# Altium PCB RTM_SFP.PcbDoc (part 1 of 7) (continued)
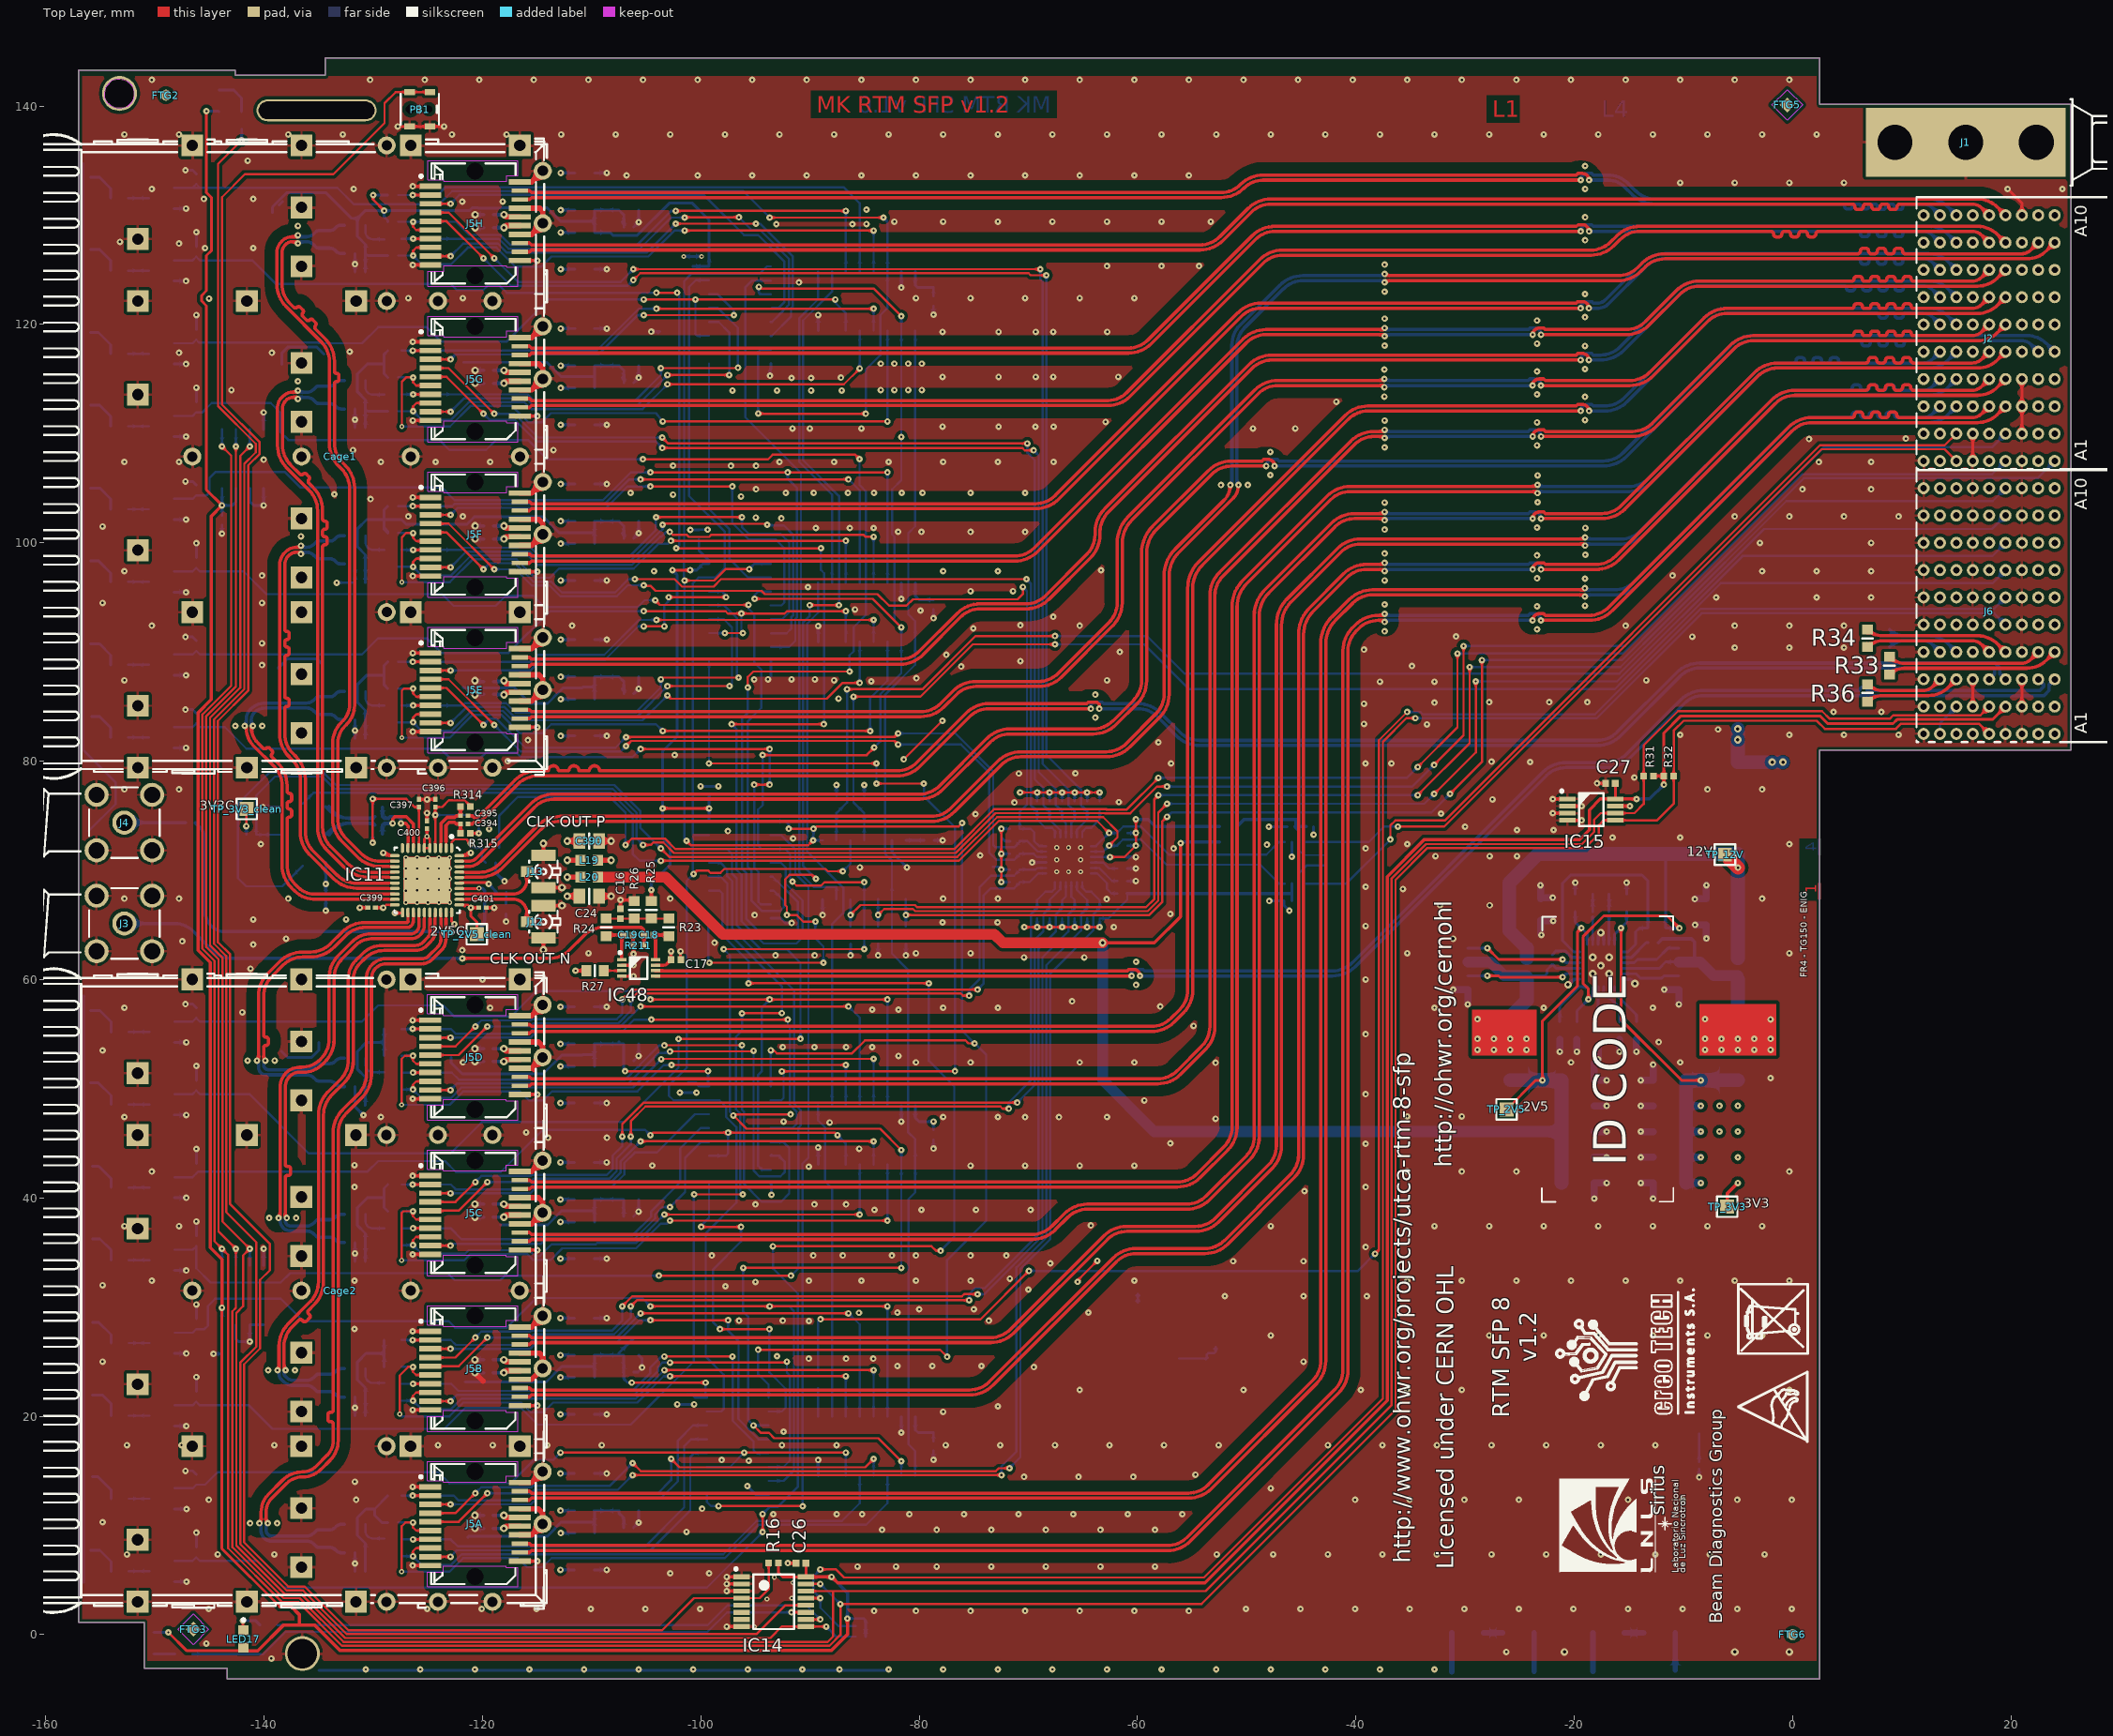
[diagram p0: Top Layer view]
## Components (designator, comment, footprint, x,y, rotation, side; value= is the part's Value field where it differs from the comment) (continued)
C220H "10uF" CAPC2012X135N -110.65,133.88 r0 bottom (schematic designator C220)
C228A "100nF" CAPC1005X55N -119.45,9.735 r180 bottom (schematic designator C228)
C228B "100nF" CAPC1005X55N -119.45,23.985 r180 bottom (schematic designator C228)
C228C "100nF" CAPC1005X55N -119.45,38.235 r180 bottom (schematic designator C228)
C228D "100nF" CAPC1005X55N -119.45,52.485 r180 bottom (schematic designator C228)
C228E "100nF" CAPC1005X55N -119.45,86.115 r180 bottom (schematic designator C228)
C228F "100nF" CAPC1005X55N -119.45,100.365 r180 bottom (schematic designator C228)
C228G "100nF" CAPC1005X55N -119.45,114.615 r180 bottom (schematic designator C228)
C228H "100nF" CAPC1005X55N -119.45,128.865 r180 bottom (schematic designator C228)
C280 "100nF" CAPC1005X55N -22.01,61.83 r90 bottom
C386 "10uF" CAPC2012X135N -15.86,55.33 r90 bottom
C390 "10uF" CAPC2012X135N -110.23,72.68 r180 top
C391 "100nF" CAPC0603X33N -134.36,67.58 r90 bottom
C392 "100nF" CAPC0603X33N -129.51,74.92 r180 bottom
C393 "100nF" CAPC0603X33N -129.51,74.16 r180 bottom
C394 "100nF" CAPC0603X33N -121.67,74.25 r0 top
C395 "100nF" CAPC0603X33N -121.67,75 r0 top
C396 "100nF" CAPC0603X33N -124.33,76.15 r270 top
C397 "100nF" CAPC0603X33N -125.83,76.15 r270 top
C399 "100nF" CAPC0603X33N -130.16,66.58 r0 top
C400 "100nF" CAPC0603X33N -125.08,74.18 r270 top
C401 "100nF" CAPC0603X33N -120,66.58 r180 top
C402 "100nF" CAPC0603X33N -61.4,71.24 r180 bottom
C403 "100nF" CAPC0603X33N -8.56,15.49 r90 bottom
Cage1 "SFP+" TYCO_2007132-1 -120.679,107.9 r0 top locked
Cage2 "SFP+" TYCO_2007132-1 -120.689,31.506 r0 top
F1 "1.5A-15V" FUSR_TYCO_SMD150F-2 -5.02,75.71 r270 bottom
FTG1 "Use only in PCB" FIDUCIAL_TOP_S100-200 -146.5,0.5 r270 bottom
FTG2 "Use only in PCB" FIDUCIAL_TOP_C100-200 -149,141 r90 top
FTG3 "Use only in PCB" FIDUCIAL_TOP_S100-200 -146.5,0.5 r90 top
FTG4 "Use only in PCB" FIDUCIAL_TOP_C100-200 0,0 r270 bottom
FTG5 "Use only in PCB" FIDUCIAL_TOP_S100-200 -0.5,140.1 r90 top
FTG6 "Use only in PCB" FIDUCIAL_TOP_C100-200 0,0 r90 top
FTG7 "Use only in PCB" FIDUCIAL_TOP_S100-200 -0.5,140.1 r270 bottom
FTG8 "Use only in PCB" FIDUCIAL_TOP_C100-200 -149,141 r270 bottom
IC1 "74HC04D" SOIC127P600X175-14N -85.04,70.05 r90 bottom
IC2 "74HC165D" SOIC127P600X175-16N -84.815,122.136 r90 bottom
IC3 "74HC4094D" SOIC127P1000X400-16N -96.425,120.875 r180 bottom
IC4 "74HC4094D" SOIC127P1000X400-16N -96.425,93.636 r180 bottom
IC5 "74HC165D" SOIC127P600X175-16N -84.815,93.636 r90 bottom
IC6 "74HC4094D" SOIC127P1000X400-16N -96.425,45.756 r180 bottom
IC7 "74HC165D" SOIC127P600X175-16N -84.815,45.756 r90 bottom
IC8 "74HC4094D" SOIC127P1000X400-16N -96.625,17.256 r180 bottom
IC9 "74HC165D" SOIC127P600X175-16N -84.815,17.256 r90 bottom
IC10 "74HC4094D" SOIC127P1000X400-16N -96.425,70.05 r180 bottom
IC11 "CDCLVD1212RHA" QFN50P600X600X80-41N-S425 -125.08,69.09 r270 top
IC12 "LM75AIM/NOPB" SOIC127P600X175-8N -141.955,31.086 r270 bottom
IC13 "LM75AIM/NOPB" SOIC127P600X175-8N -141.955,107.686 r270 bottom
IC14 "PCA9554PW" SOP65P640X110-16N -93.33,3.01 r0 top
IC15 "24LC64-I/MS" SOP65P490X110-8N -18.44,75.56 r0 top
IC16 "TPS53126RGET" QFN50P400X400X100-25N-S255 -17.56,61.28 r270 bottom
IC17 "TXS0102DCTT" SOP65P400X130-8N -45.55,70.69 r270 bottom
IC20A "SN65LVDS2DBVR" SOT95P280X145-5N -131.68,8.799 r90 bottom (schematic designator IC20)
IC20B "SN65LVDS2DBVR" SOT95P280X145-5N -131.68,23.05 r90 bottom (schematic designator IC20)
IC20C "SN65LVDS2DBVR" SOT95P280X145-5N -131.68,37.2 r90 bottom (schematic designator IC20)
IC20D "SN65LVDS2DBVR" SOT95P280X145-5N -131.68,51.5 r90 bottom (schematic designator IC20)
IC20E "SN65LVDS2DBVR" SOT95P280X145-5N -131.68,85.1 r90 bottom (schematic designator IC20)
IC20F "SN65LVDS2DBVR" SOT95P280X145-5N -131.68,99.36 r90 bottom (schematic designator IC20)
IC20G "SN65LVDS2DBVR" SOT95P280X145-5N -131.68,113.56 r90 bottom (schematic designator IC20)
IC20H "SN65LVDS2DBVR" SOT95P280X145-5N -131.68,127.8 r90 bottom (schematic designator IC20)
IC39 "MAX7357ETG+" QFN50P400X400X80-25N-S265 -66.319,70.97 r90 bottom
IC48 "FIN1101K8X" SOP50P310X90-8N -105.7,61.06 r0 top
J1 "Family" TYCO_1469265-1 15.85,136.686 r0 top
J2 "" TYCO_6469183-1 18,118.75 r0 top
J3 "SMA" HUBER-SUHNER_85_SMA-50-0-101/111_NE -152.81,65.136 r180 top
J4 "SMA" HUBER-SUHNER_85_SMA-50-0-101/111_NE -152.81,74.376 r180 top
J5A "SFP+" TYCO_1888247-1 -120.69,10.131 r0 top (schematic designator J5)
J5B "SFP+" TYCO_1888247-1 -120.69,24.381 r0 top (schematic designator J5)
J5C "SFP+" TYCO_1888247-1 -120.69,38.631 r0 top (schematic designator J5)
J5D "SFP+" TYCO_1888247-1 -120.69,52.881 r0 top (schematic designator J5)
J5E "SFP+" TYCO_1888247-1 -120.675,86.511 r0 top (schematic designator J5)
J5F "SFP+" TYCO_1888247-1 -120.675,100.761 r0 top (schematic designator J5)
J5G "SFP+" TYCO_1888247-1 -120.675,115.011 r0 top (schematic designator J5)
J5H "SFP+" TYCO_1888247-1 -120.675,129.261 r0 top (schematic designator J5)
J6 "" TYCO_6469183-1 18,93.75 r0 top locked
J12 "U.FL" HIROSE_U.FL-R-SMT-1(10) -114.42,65.29 r270 top
J13 "U.FL" HIROSE_U.FL-R-SMT-1(10) -114.42,69.89 r270 top
L1 "1.5uH" INDM6965X300N -5.02,53.67 r270 bottom
L2 "1.5uH" INDM6965X300N -25.87,53.67 r270 bottom
L3 "390R@100MHz" INDC1608X95N -51.706,74 r180 bottom
L4 "390R@100MHz" INDC1608X95N -51.706,72.611 r180 bottom
L5A "220R@100MHz" INDC2012X105N -110.65,11.35 r180 bottom (schematic designator L5)
L5B "220R@100MHz" INDC2012X105N -110.65,25.6 r180 bottom (schematic designator L5)
L5C "220R@100MHz" INDC2012X105N -110.65,39.85 r180 bottom (schematic designator L5)
L5D "220R@100MHz" INDC2012X105N -110.65,54.1 r180 bottom (schematic designator L5)
L5E "220R@100MHz" INDC2012X105N -110.65,87.73 r180 bottom (schematic designator L5)
L5F "220R@100MHz" INDC2012X105N -110.65,101.98 r180 bottom (schematic designator L5)
L5G "220R@100MHz" INDC2012X105N -110.65,116.23 r180 bottom (schematic designator L5)
L5H "220R@100MHz" INDC2012X105N -110.65,130.48 r180 bottom (schematic designator L5)
L11A "220R@100MHz" INDC2012X105N -110.65,9.3 r180 bottom (schematic designator L11)
L11B "220R@100MHz" INDC2012X105N -110.65,23.55 r180 bottom (schematic designator L11)
L11C "220R@100MHz" INDC2012X105N -110.65,37.8 r180 bottom (schematic designator L11)
L11D "220R@100MHz" INDC2012X105N -110.65,52.05 r180 bottom (schematic designator L11)
L11E "220R@100MHz" INDC2012X105N -110.65,85.68 r180 bottom (schematic designator L11)
L11F "220R@100MHz" INDC2012X105N -110.65,99.93 r180 bottom (schematic designator L11)
L11G "220R@100MHz" INDC2012X105N -110.65,114.18 r180 bottom (schematic designator L11)
L11H "220R@100MHz" INDC2012X105N -110.65,128.43 r180 bottom (schematic designator L11)
L19 "390R@100MHz" INDC1608X95N -110.23,70.93 r180 top
L20 "390R@100MHz" INDC1608X95N -110.23,69.38 r180 top
LD1A "Green" LED_AVAGO_HSME-C120#1 -155.9,13.449 r270 bottom (schematic designator LD1)
LD1B "Green" LED_AVAGO_HSME-C120#1 -155.9,27.62 r270 bottom (schematic designator LD1)
LD1C "Green" LED_AVAGO_HSME-C120#1 -155.9,41.9 r270 bottom (schematic designator LD1)
LD1D "Green" LED_AVAGO_HSME-C120#1 -155.9,56.15 r270 bottom (schematic designator LD1)
LD1E "Green" LED_AVAGO_HSME-C120#1 -155.9,89.74 r270 bottom (schematic designator LD1)
LD1F "Green" LED_AVAGO_HSME-C120#1 -155.9,104.025 r270 bottom (schematic designator LD1)
LD1G "Green" LED_AVAGO_HSME-C120#1 -155.9,118.275 r270 bottom (schematic designator LD1)
LD1H "Green" LED_AVAGO_HSME-C120#1 -155.9,132.5 r270 bottom (schematic designator LD1)
LD2A "Red" LED_AVAGO_HSMC-C120 -155.9,6.687 r270 bottom (schematic designator LD2)
LD2B "Red" LED_AVAGO_HSMC-C120 -155.9,20.99 r270 bottom (schematic designator LD2)
LD2C "Red" LED_AVAGO_HSMC-C120 -155.9,35.24 r270 bottom (schematic designator LD2)
LD2D "Red" LED_AVAGO_HSMC-C120 -155.9,49.55 r270 bottom (schematic designator LD2)
LD2E "Red" LED_AVAGO_HSMC-C120 -155.9,83.075 r270 bottom (schematic designator LD2)
LD2F "Red" LED_AVAGO_HSMC-C120 -155.9,97.336 r270 bottom (schematic designator LD2)
LD2G "Red" LED_AVAGO_HSMC-C120 -155.9,111.595 r270 bottom (schematic designator LD2)
LD2H "Red" LED_AVAGO_HSMC-C120 -155.9,125.856 r270 bottom (schematic designator LD2)
LDx "GREEN" LED_AVAGO_HSME-C120#2 -150.101,-0.789 r90 bottom
LDy "Blue" LED_AVAGO_HSMR-C120 -144.205,140.54 r270 bottom
LED17 "Red" LEDC1608X80N_RED -141.9,-0.4 r270 top
OSC1 "570BBC000121DG" OSC_SILICON-LAB_SI570 -136.46,73.27 r0 bottom value=100MHz
PB1 "Push Button" SW_C&K_HDT0001 -125.751,139.711 r0 top
R1A "330" RESC1608X55N -153.21,12.449 r180 bottom (schematic designator R1)
R1B "330" RESC1608X55N -153.225,26.7 r180 bottom (schematic designator R1)
R1C "330" RESC1608X55N -153.225,40.95 r180 bottom (schematic designator R1)
R1D "330" RESC1608X55N -153.225,55.2 r180 bottom (schematic designator R1)
R1E "330" RESC1608X55N -153.25,88.825 r180 bottom (schematic designator R1)
R1F "330" RESC1608X55N -153.25,103.075 r180 bottom (schematic designator R1)
R1G "330" RESC1608X55N -153.25,117.325 r180 bottom (schematic designator R1)
R1H "330" RESC1608X55N -153.25,131.575 r180 bottom (schematic designator R1)
R2 "100k" RESC1608X55N -87.58,76.05 r270 bottom
R3 "100k" RESC1608X55N -86.3,64.05 r90 bottom
R4 "100k" RESC1608X55N -81.23,64.05 r90 bottom
R5 "100k" RESC1608X55N -85.04,76.05 r270 bottom
R6 "100" RESC1608X55N -89.26,23.379 r270 bottom
R7 "330" RESC1608X55N -142.07,138.686 r90 bottom
R8 "330" RESC1608X55N -147.375,-1.789 r180 bottom
R9 "330" RESC1608X55N -139.58,0.87 r180 bottom
R10A "10k" RESC1005X40N#1 -146.22,14.199 r270 bottom (schematic designator R10)
R10B "10k" RESC1005X40N#1 -146.22,28.45 r270 bottom (schematic designator R10)
R10C "10k" RESC1005X40N#1 -146.22,42.7 r270 bottom (schematic designator R10)
R10D "10k" RESC1005X40N#1 -146.22,56.95 r270 bottom (schematic designator R10)
R10E "10k" RESC1005X40N#1 -146.22,90.575 r270 bottom (schematic designator R10)
R10F "10k" RESC1005X40N#1 -146.22,104.825 r270 bottom (schematic designator R10)
R10G "10k" RESC1005X40N#1 -146.22,119.075 r270 bottom (schematic designator R10)
R10H "10k" RESC1005X40N#1 -146.22,133.325 r270 bottom (schematic designator R10)
R11A "330" RESC1608X55N -153.21,5.799 r180 bottom (schematic designator R11)
R11B "330" RESC1608X55N -153.225,20.05 r180 bottom (schematic designator R11)
R11C "330" RESC1608X55N -153.225,34.3 r180 bottom (schematic designator R11)
R11D "330" RESC1608X55N -153.225,48.55 r180 bottom (schematic designator R11)
R11E "330" RESC1608X55N -153.25,82.175 r180 bottom (schematic designator R11)
R11F "330" RESC1608X55N -153.25,96.425 r180 bottom (schematic designator R11)
R11G "330" RESC1608X55N -153.25,110.675 r180 bottom (schematic designator R11)
R11H "330" RESC1608X55N -153.25,124.925 r180 bottom (schematic designator R11)
R12A "10k" RESC1005X40N#1 -146.22,7.549 r270 bottom (schematic designator R12)
R12B "10k" RESC1005X40N#1 -146.22,21.8 r270 bottom (schematic designator R12)
R12C "10k" RESC1005X40N#1 -146.22,36.05 r270 bottom (schematic designator R12)
R12D "10k" RESC1005X40N#1 -146.22,50.3 r270 bottom (schematic designator R12)
R12E "10k" RESC1005X40N#1 -146.22,83.925 r270 bottom (schematic designator R12)
R12F "10k" RESC1005X40N#1 -146.22,98.175 r270 bottom (schematic designator R12)
R12G "10k" RESC1005X40N#1 -146.22,112.425 r270 bottom (schematic designator R12)
R12H "10k" RESC1005X40N#1 -146.22,126.675 r270 bottom (schematic designator R12)
R13 "100k" RESC1608X55N -83.77,64.05 r90 bottom
R14 "10k" RESC1005X40N#2 -85.36,-0.18 r180 bottom
R15 "10k" RESC1005X40N#2 -85.36,0.77 r180 bottom
R16 "10k" RESC1005X40N#2 -93.34,6.54 r180 top
R17 "6k8 1%" RESC1608X55N -12.45,64.7 r180 bottom value=6k8
R18 "1k3 1%" RESC1608X55N -16.01,67.83 r180 bottom value=1k3
R19 "1M" RESC3216X65N -12.2,0.161 r180 bottom
R20 "1M" RESC3216X65N -16.85,0.161 r180 bottom
R21 "1M" RESC3216X65N -25.125,0.161 r180 bottom
R22 "1M" RESC3216X65N -29.77,0.161 r180 bottom
R23 "5k1" RESC1608X55N -102.94,64.78 r270 top
R24 "5k1" RESC1608X55N -108.68,64.78 r270 top
R25 "5k1" RESC1608X55N -104.54,66.38 r270 top
R26 "5k1" RESC1608X55N -106.09,66.38 r270 top
R27 "5k1" RESC1608X55N -109.7,60.81 r180 top
R28 "10k" RESC1005X40N#2 -61.39,67.88 r0 bottom
R29 "49R9" RESC1005X40N#1 -117.836,66.49 r270 bottom
R30 "100k" RESC1608X55N -119.26,70.69 r180 bottom
R31 "10k" RESC1005X40N#2 -13.19,78.64 r180 top
R32 "10k" RESC1005X40N#2 -11.34,78.64 r0 top
R33 "100" RESC1608X55N 8.87,88.75 r270 top
R34 "100" RESC1608X55N 6.86,91.25 r90 top
R35 "100" RESC1608X55N 8.87,91.25 r90 bottom
R36 "100" RESC1608X55N 6.86,86.25 r270 top
R37 "10k" RESC1005X40N#1 -42.575,70.93 r270 bottom
R53 "4k3 1%" RESC1608X55N -16.01,66.23 r0 bottom value=4k3
R54 "1k3 1%" RESC1608X55N -21.32,55.33 r270 bottom value=1k3
R105A "100" RESC1608X55N -134.5,8.78 r90 bottom (schematic designator R105)
R105B "100" RESC1608X55N -134.5,23.04 r90 bottom (schematic designator R105)
R105C "100" RESC1608X55N -134.5,37.21 r90 bottom (schematic designator R105)
R105D "100" RESC1608X55N -134.5,51.49 r90 bottom (schematic designator R105)
R105E "100" RESC1608X55N -134.5,85.1 r90 bottom (schematic designator R105)
R105F "100" RESC1608X55N -134.5,99.36 r90 bottom (schematic designator R105)
R105G "100" RESC1608X55N -134.5,113.56 r90 bottom (schematic designator R105)
R105H "100" RESC1608X55N -134.5,127.8 r90 bottom (schematic designator R105)
R107A "0" RESC1608X55N -124.515,8.724 r0 bottom (schematic designator R107)
R107B "0" RESC1608X55N -124.515,22.975 r0 bottom (schematic designator R107)
R107C "0" RESC1608X55N -124.515,37.225 r0 bottom (schematic designator R107)
R107D "0" RESC1608X55N -124.515,51.475 r0 bottom (schematic designator R107)
R107E "0" RESC1608X55N -124.515,85.1 r0 bottom (schematic designator R107)
R107F "0" RESC1608X55N -124.515,99.35 r0 bottom (schematic designator R107)
R107G "0" RESC1608X55N -124.515,113.6 r0 bottom (schematic designator R107)
R107H "0" RESC1608X55N -124.515,127.85 r0 bottom (schematic designator R107)
R109A "100" RESC1608X55N -128.2,8.724 r0 bottom (schematic designator R109)
R109B "100" RESC1608X55N -128.2,22.975 r0 bottom (schematic designator R109)
R109C "100" RESC1608X55N -128.2,37.225 r0 bottom (schematic designator R109)
R109D "100" RESC1608X55N -128.2,51.475 r0 bottom (schematic designator R109)
R109E "100" RESC1608X55N -128.2,85.1 r0 bottom (schematic designator R109)
R109F "100" RESC1608X55N -128.2,99.35 r0 bottom (schematic designator R109)
R109G "100" RESC1608X55N -128.2,113.6 r0 bottom (schematic designator R109)
R109H "100" RESC1608X55N -128.2,127.85 r0 bottom (schematic designator R109)
R195 "6k8 1%" RESC1608X55N -19.11,66.23 r0 bottom value=6k8
R211 "49R9" RESC1005X40N#1 -105.713,63.12 r180 top
R246 "5k1" RESC1608X55N -14.31,55.33 r90 bottom
R248 "3k0 1%" RESC1608X55N -19.11,67.83 r0 bottom value=3k
R311 "10k" RESC1005X40N#2 -141.18,73.27 r180 bottom
R312 "49R9" RESC1005X40N#2 -129.61,73.31 r0 bottom
R313 "49R9" RESC1005X40N#2 -129.61,75.77 r0 bottom
R314 "49R9" RESC1005X40N#2 -121.57,75.85 r180 top
R315 "49R9" RESC1005X40N#2 -121.57,73.4 r180 top
R316 "10k" RESC1005X40N#2 -63.47,66.04 r270 bottom
R317 "10k" RESC1005X40N#2 -64.615,66.04 r270 bottom
R318 "10k" RESC1005X40N#2 -65.76,66.04 r270 bottom
R319 "10k" RESC1005X40N#2 -66.91,66.04 r270 bottom
R320 "10k" RESC1005X40N#2 -68.06,66.04 r270 bottom
R321 "10k" RESC1005X40N#2 -69.205,66.04 r270 bottom
R322 "10k" RESC1005X40N#2 -71.245,68.93 r180 bottom
R323 "10k" RESC1005X40N#2 -71.245,70.075 r180 bottom
R324 "10k" RESC1005X40N#2 -61.39,72.265 r0 bottom
R325 "10k" RESC1005X40N#2 -61.39,73.42 r0 bottom
R326 "10k" RESC1005X40N#2 -61.39,70.175 r180 bottom
R327 "10k" RESC1005X40N#2 -61.39,69.03 r180 bottom
R328 "10k" RESC1005X40N#2 -63.47,75.895 r270 bottom
R329 "10k" RESC1005X40N#2 -71.245,71.52 r180 bottom
R330 "10k" RESC1005X40N#2 -71.245,72.67 r180 bottom
R331 "10k" RESC1005X40N#2 -71.245,73.815 r180 bottom
R332 "10k" RESC1005X40N#2 -69.205,75.895 r90 bottom
R333 "10k" RESC1005X40N#2 -68.06,75.895 r90 bottom
R334 "10k" RESC1005X40N#2 -66.91,75.895 r90 bottom
R335 "10k" RESC1005X40N#2 -65.76,75.895 r90 bottom
R336 "10k" RESC1005X40N#2 -64.615,75.895 r90 bottom
R391 "4k3" RESC1608X55N -119.26,72.09 r0 bottom
R400A "10k" RESC1005X40N#1 -128.2,12.72 r180 bottom (schematic designator R400)
R400B "10k" RESC1005X40N#1 -128.2,26.97 r180 bottom (schematic designator R400)
R400C "10k" RESC1005X40N#1 -128.2,41.22 r180 bottom (schematic designator R400)
R400D "10k" RESC1005X40N#1 -128.2,55.476 r180 bottom (schematic designator R400)
R400E "10k" RESC1005X40N#1 -128.2,89.1 r180 bottom (schematic designator R400)
R400F "10k" RESC1005X40N#1 -128.2,103.35 r180 bottom (schematic designator R400)
R400G "10k" RESC1005X40N#1 -128.2,117.6 r180 bottom (schematic designator R400)
R400H "10k" RESC1005X40N#1 -128.2,131.85 r180 bottom (schematic designator R400)
R403A "10k" RESC1005X40N#1 -128.2,10.27 r180 bottom (schematic designator R403)
R403B "10k" RESC1005X40N#1 -128.2,24.52 r180 bottom (schematic designator R403)
R403C "10k" RESC1005X40N#1 -128.2,38.77 r180 bottom (schematic designator R403)
R403D "10k" RESC1005X40N#1 -128.2,53.02 r180 bottom (schematic designator R403)
R403E "10k" RESC1005X40N#1 -128.2,86.65 r180 bottom (schematic designator R403)
R403F "10k" RESC1005X40N#1 -128.2,100.9 r180 bottom (schematic designator R403)
R403G "10k" RESC1005X40N#1 -128.2,115.15 r180 bottom (schematic designator R403)
R403H "10k" RESC1005X40N#1 -128.2,129.4 r180 bottom (schematic designator R403)
R404A "10k" RESC1005X40N#1 -128.2,7.175 r180 bottom (schematic designator R404)
R404B "10k" RESC1005X40N#1 -128.2,21.425 r180 bottom (schematic designator R404)
R404C "10k" RESC1005X40N#1 -128.2,35.675 r180 bottom (schematic designator R404)
R404D "10k" RESC1005X40N#1 -128.2,49.925 r180 bottom (schematic designator R404)
R404E "10k" RESC1005X40N#1 -128.2,83.555 r180 bottom (schematic designator R404)
R404F "10k" RESC1005X40N#1 -128.2,97.805 r180 bottom (schematic designator R404)
R404G "10k" RESC1005X40N#1 -128.2,112.045 r180 bottom (schematic designator R404)
R404H "10k" RESC1005X40N#1 -128.2,126.305 r180 bottom (schematic designator R404)
T1A "BSS138LT1G" SOT95P240X110-3N -149.36,5.799 r180 bottom (schematic designator T1)
T1B "BSS138LT1G" SOT95P240X110-3N -149.375,20.05 r180 bottom (schematic designator T1)
T1C "BSS138LT1G" SOT95P240X110-3N -149.375,34.3 r180 bottom (schematic designator T1)
T1D "BSS138LT1G" SOT95P240X110-3N -149.375,48.55 r180 bottom (schematic designator T1)
T1E "BSS138LT1G" SOT95P240X110-3N -149.4,82.175 r180 bottom (schematic designator T1)
T1F "BSS138LT1G" SOT95P240X110-3N -149.4,96.425 r180 bottom (schematic designator T1)
T1G "BSS138LT1G" SOT95P240X110-3N -149.4,110.675 r180 bottom (schematic designator T1)
T1H "BSS138LT1G" SOT95P240X110-3N -149.4,124.925 r180 bottom (schematic designator T1)
T2A "BSS138LT1G" SOT95P240X110-3N -149.36,12.449 r180 bottom (schematic designator T2)
T2B "BSS138LT1G" SOT95P240X110-3N -149.375,26.7 r180 bottom (schematic designator T2)
T2C "BSS138LT1G" SOT95P240X110-3N -149.375,40.95 r180 bottom (schematic designator T2)
T2D "BSS138LT1G" SOT95P240X110-3N -149.375,55.2 r180 bottom (schematic designator T2)
T2E "BSS138LT1G" SOT95P240X110-3N -149.4,88.825 r180 bottom (schematic designator T2)
T2F "BSS138LT1G" SOT95P240X110-3N -149.4,103.075 r180 bottom (schematic designator T2)
T2G "BSS138LT1G" SOT95P240X110-3N -149.4,117.325 r180 bottom (schematic designator T2)
T2H "BSS138LT1G" SOT95P240X110-3N -149.4,131.575 r180 bottom (schematic designator T2)
T5 "IRF9910Pbf" SOIC127P600X175-8N -27.05,60.98 r0 bottom
T6 "IRF9910Pbf" SOIC127P600X175-8N -7.72,60.98 r0 bottom
TP_2V5 "Test Point" TPS127 -26.2,48.1 r90 top
TP_2V5_clean "Test Point" TPS127 -120.527,64.15 r90 top
TP_3V3 "Test Point" TPS127 -6,39.2 r90 top
TP_3V3_clean "Test Point" TPS127 -141.6,75.621 r90 top
TP_12V "Test Point" TPS127 -6.2,71.442 r90 top

## Footprints (in the part's own frame and the unit in brackets; to place one, negate y for a bottom-side part, rotate by r counter-clockwise, add the part's x,y. Pads: shape width x height; smd on the part's side, far side on the other; paste and mask are expansions set on the pad)
CAPC0603X33N [mm] "Chip Capacitor, Body 0.6x0.30mm, IPC Medium Density"
  rect 0.45x0.4 smd: 1(-0.35,0) 2(0.35,0)
  body extent -0.31,-0.16 0.32,0.17, height 0.33
CAPC1005X55N [mm] "Chip Capacitor, Body 1.0x0.55mm, IPC Medium Density"
  rect 0.62x0.62 smd: 1(-0.45,0) 2(0.45,0)
  body extent -0.52,-0.27 0.53,0.28, height 0.55
CAPC2012X135N [mm] "Chip Capacitor, Body 2.0x1.25mm, IPC Medium Density"
  rect 1.05x1.4 smd: 1(-0.9,0) 2(0.9,0)
  silkscreen extent 0,-0.58 0,0.58, body extent -1.05,-0.67 1.05,0.68, height 1.25
CAPC3216X180N [mm] "Chip Capacitor, Body 3.2x1.6mm, IPC Medium Density"
  rect 1.15x1.8 smd: 1(-1.5,0) 2(1.5,0)
  silkscreen extent -0.55,-0.8 0.55,0.8, body extent -1.7,-0.9 1.7,0.9, height 1.8
FIDUCIAL_TOP_C100-200 [mm] "Round Fiducial Target, Top Layer, 1.0mm, Top Solder 2.0mm, Keepout =2.0mm"
  round 1 smd paste-0.51 mask+0.5: FTG2(0,0)
FIDUCIAL_TOP_S100-200 [mm] "Square Fiducial Target, Top Layer, 1.0mm, Top Solder 2.0mm, Keepout =2.0mm"
  rect 1x1 smd rot 45 paste-0.51 mask+0.5: 1(0,0)
  Top Layer keep-out region: 1.414,0 0,-1.414 -1.414,0 0,1.414
FUSR_TYCO_SMD150F-2 [mm] "PolySwitch, 2-Leads, Body 8.7x6.35mm Nominal"
  rect 2.3x4.6 smd: 1(-4.2,0) 2(4.2,0)
  silkscreen extent -4.7,-3.36 4.7,3.36, body extent -4.7,-3.35 4.7,3.36, height 3
HIROSE_U.FL-R-SMT-1(10) [mm] "Up to 6GHz Ultra Small Surface Mount Male Coaxial Connectors U.FL Series"
  rect 1x1.05 smd: 1(0,-1.525)
  rect 1.05x2.2 smd: 2(-1.475,0) 2(1.475,0)
  silkscreen extent -1,-1.3 1,1.55, body extent -1.5,-1.55 1.5,1.55, height 1.25
HUBER-SUHNER_85_SMA-50-0-101/111_NE [mm] "50 Ohm SMA Right Angle PCB Jack"
  round 2.2 hole 1.5: 1(0,0) 2(-2.54,2.54) 2(-2.54,-2.54) 2(2.54,2.54) 2(2.54,-2.54)
  silkscreen extent -3.23,-3.23 11.73,3.23, body extent -3.23,-3.23 11.73,3.23, height 9.6
INDC1608X95N [mm] "Chip Inductor, 2-Leads, EIA 0603, Metric 1608, Body 1.6x0.8mm, IPC Medium Density"
  rect 0.95x1 smd: 1(-0.8,0) 2(0.8,0)
  body extent -0.87,-0.47 0.88,0.48, height 0.95
INDC2012X105N [mm] "Chip Inductor, EIA 0805, Metric 2012, Body 2.0x1.25mm, IPC Medium Density"
  rect 1.15x1.45 smd: 1(-0.9,0) 2(0.9,0)
  silkscreen extent 0,-0.8 0,0.8, body extent -1.1,-0.7 1.1,0.7, height 1.1
INDM6965X300N [mm] "Inductor Molded Body, Body 6.86mm L X 6.47mm W X 3mm H, IPC Medium Density"
  rect 2.4x3.4 smd: 1(-2.9,0) 2(2.9,0)
  silkscreen extent -3.4,-3.25 3.4,3.25, body extent -3.62,-3.36 3.62,3.36, height 3
LED_AVAGO_HSMC-C120 [mm] "Red Chip LED, 2-Leads, Body 1.7x1.1mm, Side Emitting Package"
  rect 0.8x0.7 smd: 1(-1,0) 2(1,0)
  rect 0.4x0.4 smd: 3(0,-0.35)
  silkscreen extent -1.12,-0.92 0.42,0.8, body extent -0.85,-0.3 0.85,0.8, height 0.7
LED_AVAGO_HSME-C120#1 [mm] "Green Chip LED, 2-Leads, Body 1.7x1.1mm, Side Emitting Package"
  rect 0.8x0.7 smd: 1(-1,0) 2(1,0)
  rect 0.4x0.4 smd: 3(0,-0.35)
  silkscreen extent -1.12,-0.92 0.42,0.8, body extent -0.85,-0.3 0.85,0.8, height 0.7
LED_AVAGO_HSME-C120#2 [mm] "Green Chip LED, 2-Leads, Body 1.7x1.1mm, Side Emitting Package"
  rect 0.8x0.7 smd: 1(-1,0) 2(1,0)
  rect 0.4x0.4 smd: 3(0,0.35)
  silkscreen extent -1.12,-0.8 0.51,0.92, body extent -0.85,-0.8 0.85,0.3, height 0.7
LED_AVAGO_HSMR-C120 [mm] "Blue Chip LED, 2-Leads, Body 1.7x1.1mm, Side Emitting Package"
  rect 0.8x0.7 smd: 1(-1,0) 2(1,0)
  rect 0.4x0.4 smd: 3(0,-0.35)
  silkscreen extent -1.12,-0.92 0.42,0.8, body extent -0.85,-0.3 0.85,0.8, height 0.7
LEDC1608X80N_RED [mm] "Chip RED LED, 2-Leads, Body 1.6x0.8mm, IPC Medium Density"
  rect 0.9x0.95 smd: 1(-0.8,0) 2(0.8,0)
  silkscreen extent -1.87,-0.12 -1.63,0.13, body extent -0.8,-0.4 0.8,0.4, height 0.8
OSC_SILICON-LAB_SI570 [mm] "Oscillator Si570 Serie, 8 pins, 5x7mm"
  rect 2.15x1.7 smd: 1(-2.1,2.54) 2(-2.1,0) 3(-2.1,-2.54) 4(2.1,-2.54) 5(2.1,0) 6(2.1,2.54)
  rect 1.3x1.545 smd: 7(0,2.853) 8(0,-2.853)
  silkscreen extent -4,-1.75 0.65,2.75, body extent -2.5,-3.5 2.5,3.5, height 1.85
QFN50P400X400X80-25N-S265 [mm] "QFN, 0.50mm Pitch, Square; 6 Pin X 6 Pin, 4mm X 4mm Body (w/Thermal Tab 2.65 X 2.65 mm), IPC Medium Density"
  oval 0.85x0.3 smd: 1(-1.95,1.25) 2(-1.95,0.75) 3(-1.95,0.25) 4(-1.95,-0.25) 5(-1.95,-0.75) 6(-1.95,-1.25) 13(1.95,-1.25) 14(1.95,-0.75) 15(1.95,-0.25) 16(1.95,0.25) 17(1.95,0.75) 18(1.95,1.25)
  oval 0.3x0.85 smd: 7(-1.25,-1.95) 8(-0.75,-1.95) 9(-0.25,-1.95) 10(0.25,-1.95) 11(0.75,-1.95) 12(1.25,-1.95) 19(1.25,1.95) 20(0.75,1.95) 21(0.25,1.95) 22(-0.25,1.95) 23(-0.75,1.95) 24(-1.25,1.95)
  rect 2.65x2.65 smd paste-1: 25(0,0)
  silkscreen extent -3.07,-2 2,2, body extent -2.07,-2.07 2.08,2.08, height 0.8
QFN50P400X400X100-25N-S255 [mm] "QFN,0.50mm pitch,square;6 pin X 6 pin,4.15mm X 4.15mm X 1.00mm H body (w/thermal tab 2.55 X 2.55mm),  IPC Medium Density"
  oval 0.9x0.3 smd: 1(-1.95,1.25) 2(-1.95,0.75) 3(-1.95,0.25) 4(-1.95,-0.25) 5(-1.95,-0.75) 6(-1.95,-1.25) 13(1.95,-1.25) 14(1.95,-0.75) 15(1.95,-0.25) 16(1.95,0.25) 17(1.95,0.75) 18(1.95,1.25)
  oval 0.3x0.9 smd: 7(-1.25,-1.95) 8(-0.75,-1.95) 9(-0.25,-1.95) 10(0.25,-1.95) 11(0.75,-1.95) 12(1.25,-1.95) 19(1.25,1.95) 20(0.75,1.95) 21(0.25,1.95) 22(-0.25,1.95) 23(-0.75,1.95) 24(-1.25,1.95)
  rect 2.55x2.55 smd: 25(0,0)
  silkscreen extent -2.77,-2.1 2.1,2.1, body extent -2.07,-2.07 2.08,2.08, height 1
QFN50P600X600X80-41N-S425 [mm] "QFN, 0.50mm Pitch, Square; 40 Pin, 6.00mm L X 6.00mm W X 0.80mm H body (w/Thermal Tab 4.25 x 4.25mm), IPC Medium Density"
  oval 0.9x0.3 smd: 1(-2.95,2.25) 2(-2.95,1.75) 3(-2.95,1.25) 4(-2.95,0.75) 5(-2.95,0.25) 6(-2.95,-0.25) 7(-2.95,-0.75) 8(-2.95,-1.25) 9(-2.95,-1.75) 10(-2.95,-2.25) 21(2.95,-2.25) 22(2.95,-1.75) 23(2.95,-1.25) 24(2.95,-0.75) 25(2.95,-0.25) 26(2.95,0.25) 27(2.95,0.75) 28(2.95,1.25) 29(2.95,1.75) 30(2.95,2.25)
  oval 0.3x0.9 smd: 11(-2.25,-2.95) 12(-1.75,-2.95) 13(-1.25,-2.95) 14(-0.75,-2.95) 15(-0.25,-2.95) 16(0.25,-2.95) 17(0.75,-2.95) 18(1.25,-2.95) 19(1.75,-2.95) 20(2.25,-2.95) 31(2.25,2.95) 32(1.75,2.95) 33(1.25,2.95) 34(0.75,2.95) 35(0.25,2.95) 36(-0.25,2.95) 37(-0.75,2.95) 38(-1.25,2.95) 39(-1.75,2.95) 40(-2.25,2.95)
  rect 4.25x4.25 smd paste-1.5: 41(0,0)
  silkscreen extent -4.12,-3 3,3, body extent -3,-3 3,3, height 0.8
RESC1005X40N#1 [mm] "Chip Resistor, EIA 0402, Metric 1005, Body 1.0x0.5mm, IPC Medium Density"
  rect 0.58x0.62 smd: 1(-0.47,0) 2(0.47,0)
  body extent -0.52,-0.27 0.53,0.28, height 0.4
RESC1005X40N#2 [mm] "Chip Resistor, EIA 0402, Metric 1005, Body 1.0x0.5mm, IPC Medium Density"
  rect 0.6x0.6 smd: 1(-0.45,0) 2(0.45,0)
  body extent -0.52,-0.27 0.53,0.28, height 0.4
RESC1608X55N [mm] "Chip Resistor, EIA 0603, Metric 1608, Body 1.6x0.8mm, IPC Medium Density"
  rect 0.9x1 smd: 1(-0.8,0) 2(0.8,0)
  silkscreen extent 0,-0.5 0,0.5, body extent -0.87,-0.47 0.88,0.48, height 0.55
RESC3216X65N [mm] "Chip Resistor, EIA 1206, Metric 3216, Body 3.2x1.6mm, IPC Medium Density"
  rect 1.15x1.8 smd: 1(-1.45,0) 2(1.45,0)
  silkscreen extent -0.5,-0.9 0.5,0.9, body extent -1.67,-0.87 1.68,0.88, height 0.65
SOIC127P600X175-8N [mm] "SOIC 8, Pitch 1.27mm - Body 4x5mm, IPC Medium Density"
  rect 1.55x0.6 smd: 1(-2.7,1.905) 2(-2.7,0.635) 3(-2.7,-0.635) 4(-2.7,-1.905) 5(2.7,-1.905) 6(2.7,-0.635) 7(2.7,0.635) 8(2.7,1.905)
  silkscreen extent -2.52,-2.5 1.55,2.88, body extent -3.1,-2.5 3.1,2.5, height 1.75
SOIC127P600X175-14N [mm] "SOIC 14, Pitch 1.27mm - Body 4x8.75mm, IPC Medium Density"
  rect 1.55x0.6 smd: 1(-2.7,3.81) 2(-2.7,2.54) 3(-2.7,1.27) 4(-2.7,0) 5(-2.7,-1.27) 6(-2.7,-2.54) 7(-2.7,-3.81) 8(2.7,-3.81) 9(2.7,-2.54) 10(2.7,-1.27) 11(2.7,0) 12(2.7,1.27) 13(2.7,2.54) 14(2.7,3.81)
  silkscreen extent -2.52,-4.4 1.55,4.79, body extent -3.1,-4.37 3.1,4.38, height 1.75
SOIC127P600X175-16N [mm] "SOIC 16, Pitch 1.27mm - Body 4x10mm, IPC Medium Density"
  rect 1.55x0.6 smd: 1(-2.7,4.445) 2(-2.7,3.175) 3(-2.7,1.905) 4(-2.7,0.635) 5(-2.7,-0.635) 6(-2.7,-1.905) 7(-2.7,-3.175) 8(-2.7,-4.445) 9(2.7,-4.445) 10(2.7,-3.175) 11(2.7,-1.905) 12(2.7,-0.635) 13(2.7,0.635) 14(2.7,1.905) 15(2.7,3.175) 16(2.7,4.445)
  silkscreen extent -2.45,-5 1.55,5.38, body extent -3.1,-5 3.1,5, height 1.75
SOIC127P1000X400-16N [mm] "SOIC 16, Pitch 1.27mm - Body 4x10mm, IPC Medium Density"
  oval 1.75x0.8 smd: 1(-2.825,4.445) 8(-2.825,-4.445) 9(2.825,-4.445) 16(2.825,4.445)
  oval 1.75x0.7 smd: 2(-2.825,3.175) 3(-2.825,1.905) 4(-2.825,0.635) 5(-2.825,-0.635) 6(-2.825,-1.905) 7(-2.825,-3.175) 10(2.825,-3.175) 11(2.825,-1.905) 12(2.825,-0.635) 13(2.825,0.635) 14(2.825,1.905) 15(2.825,3.175)
  silkscreen extent -3.17,-5 1.27,5.46, body extent -3.1,-5 3.1,5, height 1.75
SOP50P310X90-8N [mm] "SOP, 0.50mm pitch; 8 pin, 2.30mm W X 2.00mm L X 0.90mm H body, PC Medium Density"
  rect 0.85x0.3 smd: 1(-1.55,0.75) 2(-1.55,0.25) 3(-1.55,-0.25) 4(-1.55,-0.75) 5(1.55,-0.75) 6(1.55,-0.25) 7(1.55,0.25) 8(1.55,0.75)
  silkscreen extent -1.82,-1 0.8,1.52, body extent -1.62,-1 1.62,1, height 0.9
SOP65P400X130-8N [mm] "SOP, 0.65mm, Pitch; 8 Pin, 2.80mm W X 2.95mm L X 1.30mm H Body, PC Medium Density"
  rect 1.1x0.4 smd: 1(-1.9,0.975) 2(-1.9,0.325) 3(-1.9,-0.325) 4(-1.9,-0.975) 5(1.9,-0.975) 6(1.9,-0.325) 7(1.9,0.325) 8(1.9,0.975)
  silkscreen extent -2.32,-1.5 1.02,1.82, body extent -2.15,-1.57 2.15,1.58, height 1.3
SOP65P490X110-8N [mm] "SOP, 0.65mm pitch; 8 pin, 3.00mm W X 3.00mm L X 1.10mm H body, IPC Medium Density"
  rect 1.5x0.45 smd: 1(-2.2,0.975) 2(-2.2,0.325) 3(-2.2,-0.325) 4(-2.2,-0.975) 5(2.2,-0.975) 6(2.2,-0.325) 7(2.2,0.325) 8(2.2,0.975)
  silkscreen extent -2.82,-1.5 1.12,1.82, body extent -2.45,-1.55 2.45,1.55, height 1.1
SOP65P640X110-16N [mm] "SOP, 0.65mm pitch; 16 pin, 4.40mm W X 5.00mm L X 1.10mm H body IPC Medium Density"
  rect 1.5x0.45 smd: 1(-2.95,2.275) 2(-2.95,1.625) 3(-2.95,0.975) 4(-2.95,0.325) 5(-2.95,-0.325) 6(-2.95,-0.975) 7(-2.95,-1.625) 8(-2.95,-2.275) 9(2.95,-2.275) 10(2.95,-1.625) 11(2.95,-0.975) 12(2.95,-0.325) 13(2.95,0.325) 14(2.95,0.975) 15(2.95,1.625) 16(2.95,2.275)
  silkscreen extent -3.57,-2.5 1.88,3.12, body extent -3.12,-2.55 3.12,2.55, height 1.1
SOT95P240X110-3N [mm] "SOT23 3-Leads, Pitch 0.95mm - Body 1.3x2.9mm, IPC Medium Density"
  rect 1.05x0.65 smd: 1(-1.15,0.95) 2(-1.15,-0.95) 3(1.15,0)
  silkscreen extent -1.53,-1.45 0.3,1.92, body extent -1.25,-1.5 1.25,1.5, height 1.1
SOT95P280X145-5N [mm] "SOT, 0.95mm pitch; 5 pin, 1.60mm W X 2.90mm L X 1.45mm H body, IPC Medium Density"
  rect 1.1x0.6 smd: 1(-1.3,0.95) 2(-1.3,0) 3(-1.3,-0.95) 4(1.3,-0.95) 5(1.3,0.95)
  silkscreen extent -1.72,-1.45 0.43,1.88, body extent -1.4,-1.5 1.4,1.5, height 1.45
SW_C&K_HDT0001 [mm] "Micro Mini Surface Mount Detect Switches, HDT Serie"
  rect 0.95x0.55 smd: 1(-0.925,1.575) 2(0.925,1.575) 3(-0.925,-1.575) 4(0.925,-1.575)
  round 0.5 hole 0.85 unplated mask+0.175: 5(-0.85,0)
  round 0.5 hole 0.65 unplated mask+0.075: 10(0.85,0)
  silkscreen extent -1.75,-1.4 1.75,1.4, body extent -1.75,-1.65 1.75,1.65, height 3.35
TPS127 [mm] "1.27 x  1.27mm SMD Test Point Area"
  rect 1.27x1.27 smd paste-1.27: 1(0,0)
  silkscreen extent -0.94,-0.94 0.94,0.94
TYCO_1469265-1 [mm] "Universal Right Angle Male Power Module Guide (keyed)"
  round 3.9 hole 3.2: 1(-6.48,0) 1(6.48,0)
  rect 18.3x6.3 smd paste-4.15 mask-4.15: 1(0,0)
  round 6 hole 3.2: 1(0,0)
  silkscreen extent 9.58,-3.96 32.55,3.94, body extent -8.92,-3.95 32.53,3.95, height 9.7